# Altium PCB PCB1.PcbDoc (part 4 of 4)
Units mm, origin at the board's own origin, x right, y up, seen from the top; angles counter-clockwise.
Board outline 100 x 84 mm, 2 copper layers (Top Layer, Bottom Layer); 156 components, 105 nets, 544 pads, 320 vias.
Unrouted connection lines stored in the file: 2.
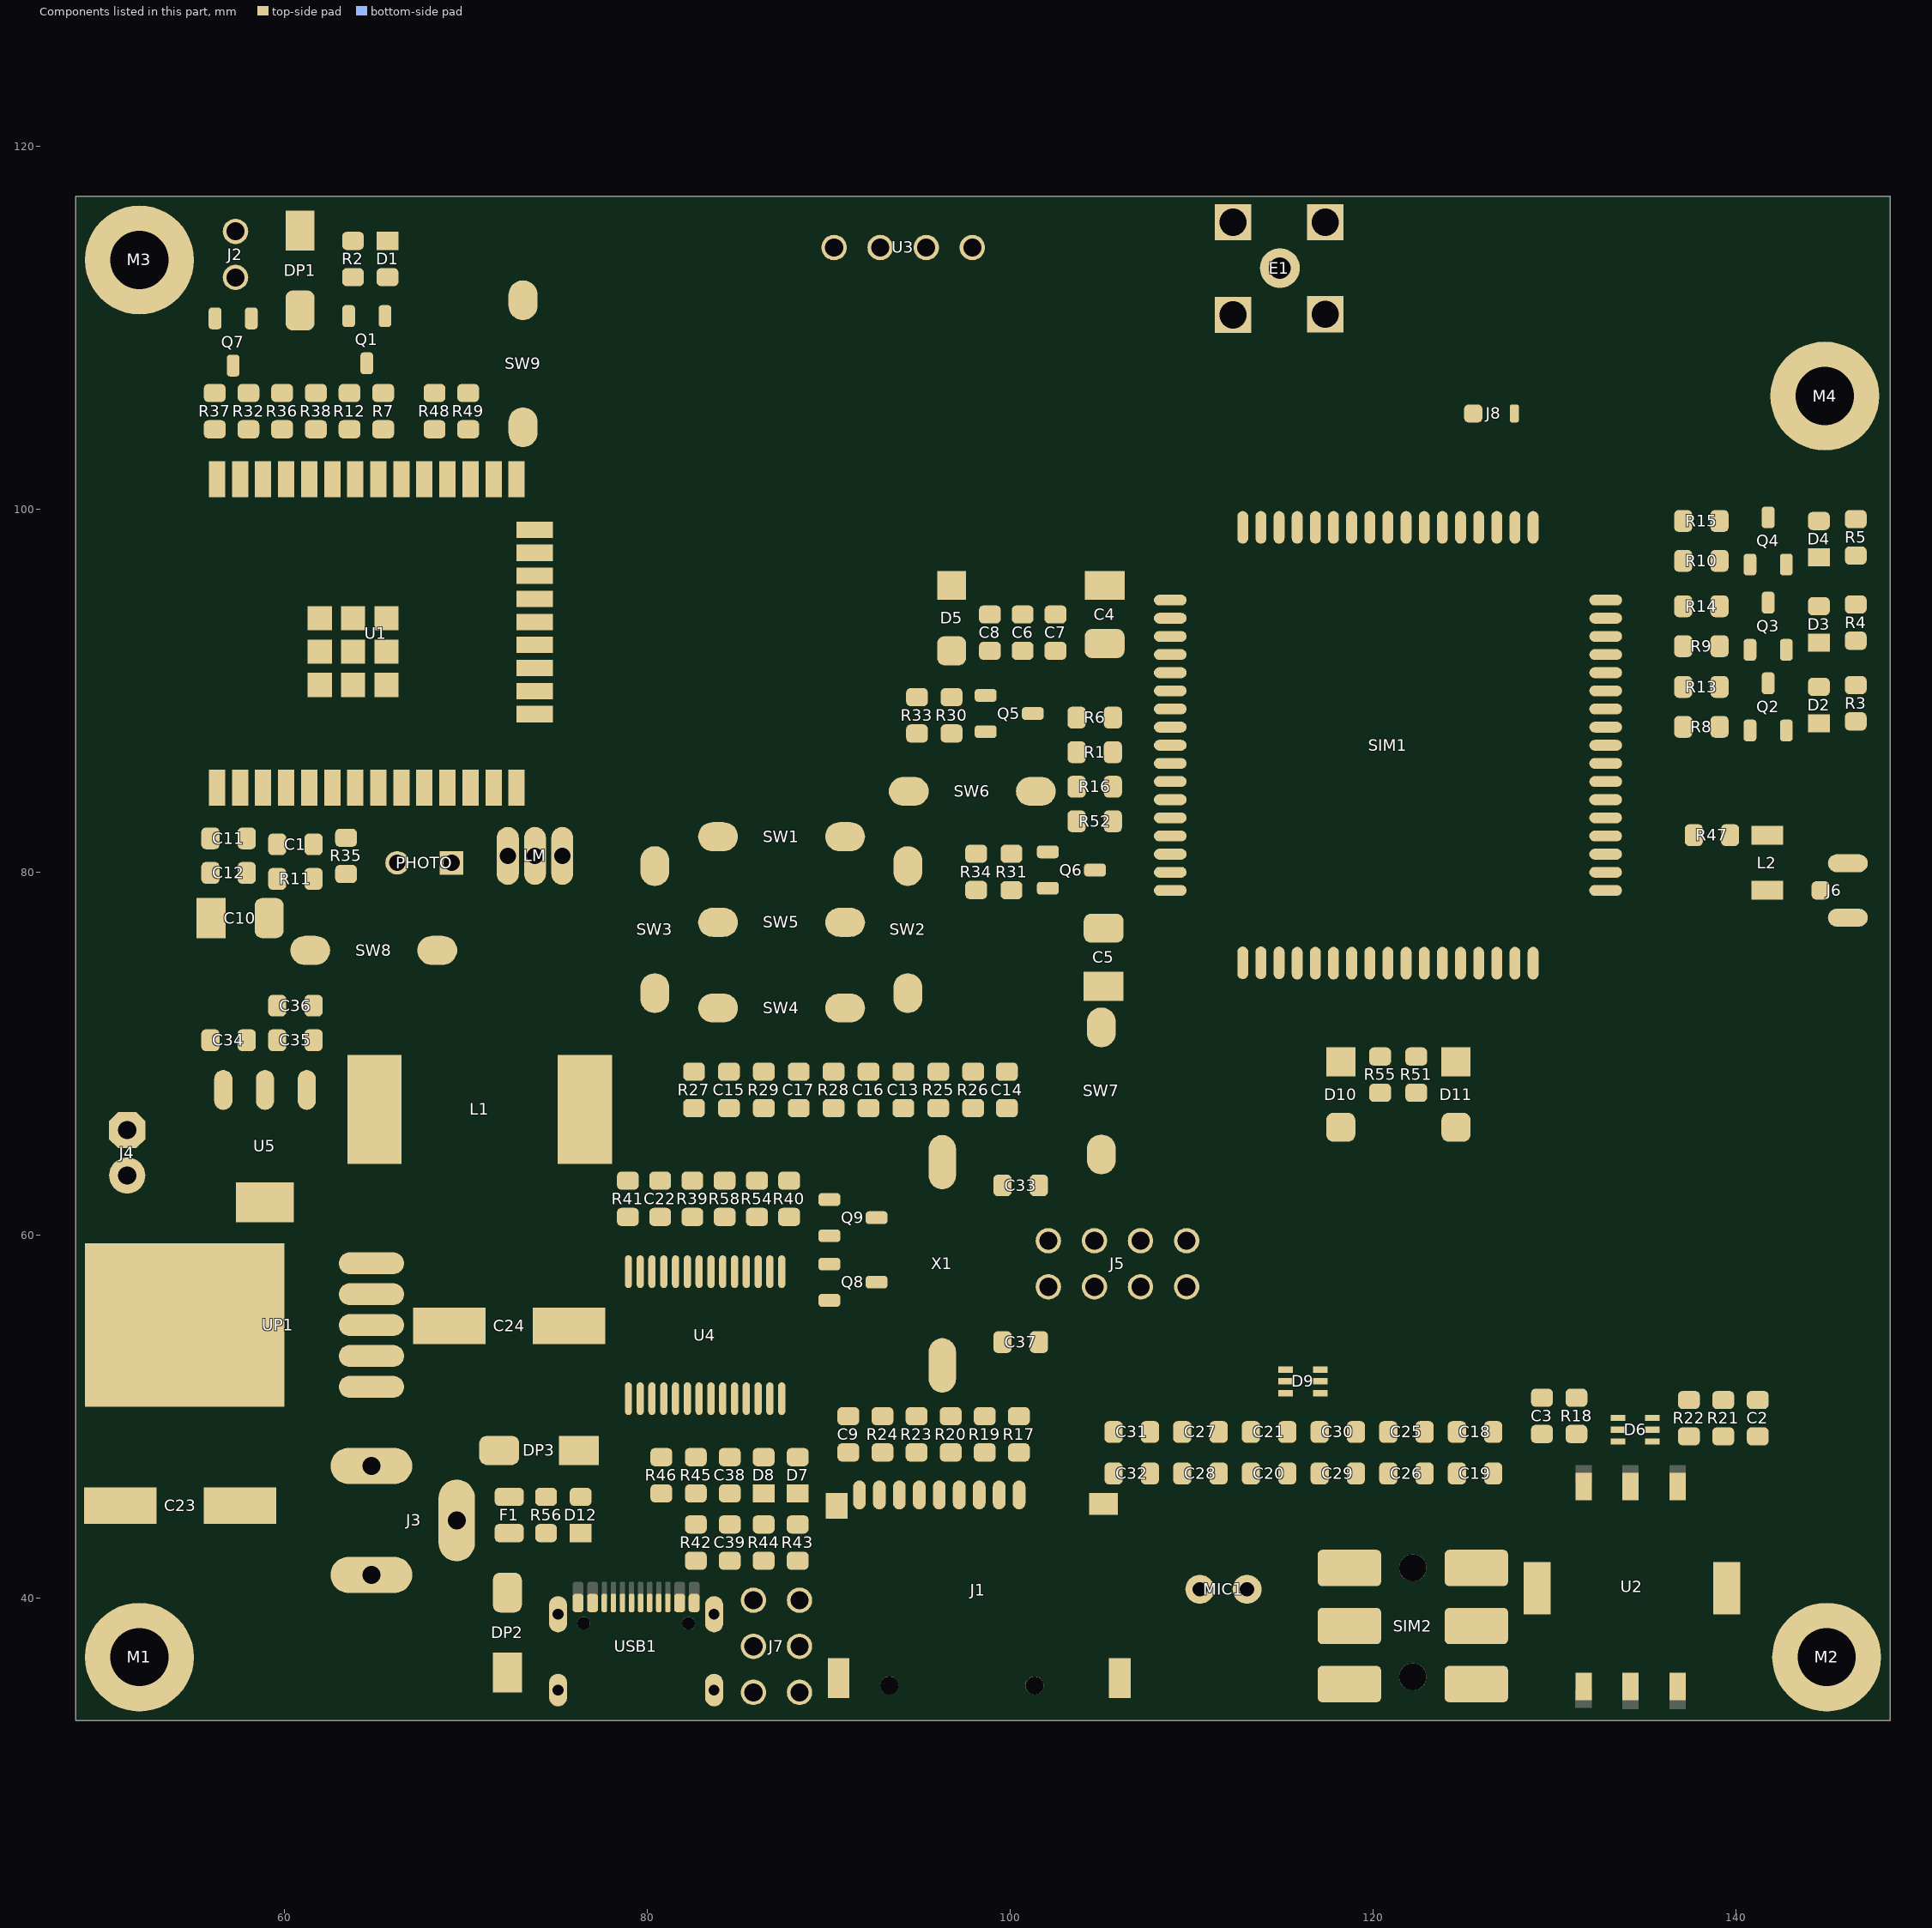
[diagram p4: the components of this part, seen from the top]

## Via types
v1: diameter 0.7, hole 0.5, Top Layer to Bottom Layer, tented both sides, 196 vias
v2: diameter 0.9, hole 0.7, Top Layer to Bottom Layer, tented both sides, 63 vias
v3: diameter 0.8, hole 0.5, Top Layer to Bottom Layer, 32 vias
v4: diameter 0.508, hole 0.381, Top Layer to Bottom Layer, tented both sides, 29 vias

## Nets (pads, with @x,y where several pads share a name; then routed paths per layer and width w, separated by ;. In a path a pad name is that pad's centre, name@x,y a point inside that pad or via, vN(x,y) a via of type N, cw(c..) or ccw(c..) an arc to the next point about the centre after c; other vN are vias at no path point) (continued)
copper on no net: (continued)
  Bottom Layer w0.025: 138.455,65.227 139.725,65.227 ; 138.455,65.253 139.725,65.253 ; 138.455,65.278 139.751,65.278 ; 138.455,65.303 139.751,65.303 ; 138.455,65.329 139.751,65.329 ; 138.455,65.354 139.751,65.354 ; 138.455,65.38 139.751,65.38 ; 138.455,65.405 139.751,65.405 ; 138.455,65.43 139.751,65.43 ; 138.455,65.456 139.751,65.456 ; 138.455,65.481 139.751,65.481 ; 138.455,65.507 139.751,65.507 ; 138.455,65.532 139.751,65.532 ; 138.481,65.557 139.725,65.557 ; 138.481,65.583 139.725,65.583 ; 138.481,65.608 139.725,65.608 ; 138.481,65.634 139.725,65.634 ; 138.481,65.659 139.7,65.659 ; 138.481,65.684 139.344,65.684 ; 138.506,65.71 139.344,65.71 ; 138.506,65.735 139.344,65.735 ; 138.506,65.761 139.37,65.761 ; 138.506,65.786 139.395,65.786 ; 138.532,65.811 139.421,65.811 ; 138.532,65.837 139.497,65.837 ; 138.532,65.862 140.614,65.862 ; 138.557,65.888 140.614,65.888 ; 138.557,65.913 140.589,65.913 ; 138.582,65.938 140.589,65.938 ; 138.582,65.964 140.564,65.964 ; 138.608,59.893 138.709,59.893 ; 138.608,59.919 138.709,59.919 ; 138.608,59.944 138.709,59.944 ; 138.608,59.969 138.709,59.969 ; 138.608,59.995 138.709,59.995 ; 138.608,60.02 138.709,60.02 ; 138.608,60.046 138.709,60.046 ; 138.608,60.071 138.709,60.071 ; 138.608,60.096 138.709,60.096 ; 138.608,60.122 138.709,60.122 ; 138.608,60.147 138.709,60.147 ; 138.608,60.173 138.709,60.173 ; 138.608,60.198 138.709,60.198 ; 138.608,60.3 138.709,60.3 ; 138.608,60.325 138.709,60.325 ; 138.608,65.989 140.564,65.989 ; 138.608,66.015 140.538,66.015 ; 138.633,60.274 138.684,60.274 ; 138.633,60.35 138.684,60.35 ; 138.633,66.04 140.538,66.04 ; 138.659,66.065 140.513,66.065 ; 138.659,66.091 140.487,66.091 ; 138.684,66.116 140.487,66.116 ; 138.709,66.142 140.462,66.142 ; 138.709,66.167 140.437,66.167 ; 138.735,61.316 139.776,61.316 ; 138.735,61.341 139.776,61.341 ; 138.735,61.366 139.776,61.366 ; 138.735,61.392 139.776,61.392 ; 138.735,61.417 139.776,61.417 ; 138.735,61.443 139.776,61.443 ; 138.735,61.468 139.497,61.468 ; 138.735,61.493 139.471,61.493 ; 138.735,61.519 139.471,61.519 ; 138.735,61.544 139.471,61.544 ; 138.735,61.57 139.471,61.57 ; 138.735,61.595 139.471,61.595 ; 138.735,61.62 139.497,61.62 ; 138.735,61.646 139.522,61.646 ; 138.735,61.671 139.776,61.671 ; 138.735,66.192 140.411,66.192 ; 138.76,61.214 139.776,61.214 ; 138.76,61.239 139.776,61.239 ; 138.76,61.265 139.776,61.265 ; 138.76,61.29 139.776,61.29 ; 138.76,61.697 139.776,61.697 ; 138.76,61.722 139.776,61.722 ; 138.76,61.747 139.776,61.747 ; 138.76,61.773 139.776,61.773 ; 138.76,61.798 139.776,61.798 ; 138.76,66.218 140.386,66.218 ; 138.786,59.893 138.887,59.893 ; 138.786,59.919 138.887,59.919 ; 138.786,59.944 139.065,59.944 ; 138.786,59.969 138.913,59.969 ; 138.786,59.995 138.887,59.995 ; 138.786,60.02 138.887,60.02 ; 138.786,60.046 139.04,60.046 ; 138.786,60.071 139.014,60.071 ; 138.786,60.096 138.887,60.096 ; 138.786,60.122 138.887,60.122 ; 138.786,61.138 139.776,61.138 ; 138.786,61.163 139.776,61.163 ; 138.786,61.189 139.776,61.189 ; 138.786,61.824 139.776,61.824 ; 138.786,61.849 139.776,61.849 ; 138.786,66.243 140.36,66.243 ; 138.811,60.147 139.04,60.147 ; 138.811,60.173 139.04,60.173 ; 138.811,61.087 139.776,61.087 ; 138.811,61.112 139.776,61.112 ; 138.811,61.874 139.776,61.874 ; 138.811,61.9 139.776,61.9 ; 138.811,66.269 140.335,66.269 ; 138.836,61.036 139.776,61.036 ; 138.836,61.062 139.776,61.062 ; 138.836,61.925 139.776,61.925 ; 138.836,61.951 139.776,61.951 ; 138.836,64.44 140.335,64.44 ; 138.836,64.465 140.36,64.465 ; 138.836,66.294 140.31,66.294 ; 138.862,60.198 139.014,60.198 ; 138.862,61.011 139.776,61.011 ; 138.862,61.976 139.776,61.976 ; 138.862,62.001 139.776,62.001 ; 138.862,62.611 139.598,62.611 ; 138.862,62.636 139.624,62.636 ; 138.862,62.662 139.649,62.662 ; 138.862,62.687 140.64,62.687 ; 138.862,62.713 140.64,62.713 ; 138.862,62.738 140.64,62.738 ; 138.862,62.763 140.64,62.763 ; 138.862,62.789 140.64,62.789 ; 138.862,62.814 140.64,62.814 ; 138.862,62.84 140.64,62.84 ; 138.862,62.865 142.799,62.865 ; 138.862,62.89 142.367,62.89 ; 138.862,62.916 142.342,62.916 ; 138.862,62.941 142.342,62.941 ; 138.862,64.414 140.31,64.414 ; 138.862,64.491 140.386,64.491 ; 138.862,66.319 140.284,66.319 ; 138.887,60.96 139.776,60.96 ; 138.887,60.985 139.776,60.985 ; 138.887,62.027 139.776,62.027 ; 138.887,62.509 139.624,62.509 ; 138.887,62.535 139.598,62.535 ; 138.887,62.56 139.598,62.56 ; 138.887,62.586 139.598,62.586 ; 138.887,62.967 142.342,62.967 ; 138.887,62.992 142.342,62.992 ; 138.887,63.017 142.342,63.017 ; 138.887,63.043 142.367,63.043 ; 138.887,64.389 140.284,64.389 ; 138.887,64.516 140.411,64.516 ; 138.887,64.541 140.437,64.541 ; 138.887,66.345 140.259,66.345 ; 138.913,59.919 139.04,59.919 ; 138.913,60.935 139.776,60.935 ; 138.913,62.052 139.776,62.052 ; 138.913,62.459 139.776,62.459 ; 138.913,62.484 139.649,62.484 ; 138.913,63.068 142.799,63.068 ; 138.913,63.094 140.64,63.094 ; 138.913,63.119 140.64,63.119 ; 138.913,64.364 140.259,64.364 ; 138.913,64.567 140.462,64.567 ; 138.938,59.893 139.014,59.893 ; 138.938,60.909 139.776,60.909 ; 138.938,62.078 139.776,62.078 ; 138.938,62.408 139.776,62.408 ; 138.938,62.433 139.776,62.433 ; 138.938,63.144 140.64,63.144 ; 138.938,63.17 140.64,63.17 ; 138.938,64.338 140.208,64.338 ; 138.938,64.592 140.487,64.592 ; 138.938,66.37 140.233,66.37 ; 138.963,59.969 139.065,59.969 ; 138.963,59.995 139.065,59.995 ; 138.963,60.02 139.065,60.02 ; 138.963,60.884 139.776,60.884 ; 138.963,62.103 139.776,62.103 ; 138.963,62.357 139.776,62.357 ; 138.963,62.382 139.776,62.382 ; 138.963,63.195 140.64,63.195 ; 138.963,64.618 140.487,64.618 ; 138.963,66.396 140.183,66.396 ; 138.989,60.858 139.776,60.858 ; 138.989,62.128 139.776,62.128 ; 138.989,62.332 139.776,62.332 ; 138.989,63.221 140.64,63.221 ; 138.989,63.246 140.64,63.246 ; 138.989,64.313 140.183,64.313 ; 138.989,64.643 140.513,64.643 ; 138.989,64.668 140.538,64.668 ; 139.014,60.122 139.04,60.122 ; 139.014,60.833 139.776,60.833 ; 139.014,62.281 139.776,62.281 ; 139.014,62.306 139.776,62.306 ; 139.014,63.271 140.64,63.271 ; 139.014,64.694 140.538,64.694 ; 139.014,66.421 140.157,66.421 ; 139.04,60.808 139.776,60.808 ; 139.04,62.154 139.776,62.154 ; 139.04,62.255 139.776,62.255 ; 139.04,63.297 140.64,63.297 ; 139.04,64.287 140.132,64.287 ; 139.04,64.719 140.564,64.719 ; 139.04,66.446 140.106,66.446 ; 139.065,62.179 139.776,62.179 ; 139.065,62.23 139.776,62.23 ; 139.065,63.322 140.64,63.322 ; 139.065,64.262 140.106,64.262 ; 139.065,64.745 140.564,64.745 ; 139.065,64.77 140.589,64.77 ; 139.09,60.782 139.776,60.782 ; 139.09,62.205 139.776,62.205 ; 139.09,64.795 140.589,64.795 ; 139.09,66.472 140.056,66.472 ; 139.116,63.348 140.64,63.348 ; 139.116,64.237 140.056,64.237 ; 139.116,64.821 140.614,64.821 ; 139.141,60.147 139.319,60.147 ; 139.141,60.173 139.319,60.173 ; 139.141,60.198 139.192,60.198 ; 139.141,60.757 139.776,60.757 ; 139.141,63.373 140.64,63.373 ; 139.141,64.846 140.614,64.846 ; 139.141,64.872 140.64,64.872 ; 139.141,66.497 140.005,66.497 ; 139.167,64.897 140.64,64.897 ; 139.192,60.122 139.319,60.122 ; 139.192,60.731 139.776,60.731 ; 139.192,63.398 140.64,63.398 ; 139.192,64.211 139.979,64.211 ; 139.192,64.922 140.64,64.922 ; 139.217,59.893 139.319,59.893 ; 139.217,59.919 139.319,59.919 ; 139.217,59.944 139.319,59.944 ; 139.217,59.969 139.319,59.969 ; 139.217,59.995 139.319,59.995 ; 139.217,60.02 139.319,60.02 ; 139.217,60.046 139.319,60.046 ; 139.217,60.071 139.319,60.071 ; 139.217,60.096 139.319,60.096 ; 139.217,60.198 139.319,60.198 ; 139.217,64.948 139.471,64.948 ; 139.217,66.523 139.929,66.523 ; 139.243,60.706 139.776,60.706 ; 139.243,63.424 140.64,63.424 ; 139.243,64.973 139.446,64.973 ; 139.243,64.999 139.395,64.999 ; 139.268,64.186 139.903,64.186 ; 139.268,65.024 139.37,65.024 ; 139.294,65.049 139.344,65.049 ; 139.319,63.449 140.64,63.449 ; 139.319,66.548 139.827,66.548 ; 139.344,64.16 139.802,64.16 ; 139.37,60.681 139.776,60.681 ; 139.395,59.893 139.522,59.893 ; 139.395,59.919 139.548,59.919 ; 139.395,59.944 139.573,59.944 ; 139.395,60.147 139.624,60.147 ; 139.395,60.173 139.624,60.173 ; 139.395,60.198 139.624,60.198 ; 139.421,63.475 140.64,63.475 ; 139.446,59.969 139.573,59.969 ; 139.446,60.223 139.573,60.223 ; 139.471,59.995 139.573,59.995 ; 139.471,60.02 139.573,60.02 ; 139.471,60.046 139.573,60.046 ; 139.471,60.071 139.573,60.071 ; 139.471,60.096 139.573,60.096 ; 139.471,60.122 139.573,60.122 ; 139.471,60.249 139.573,60.249 ; 139.471,60.274 139.573,60.274 ; 139.471,60.3 139.522,60.3 ; 139.522,66.573 139.624,66.573 ; 139.598,65.837 140.64,65.837 ; 139.624,63.5 140.64,63.5 ; 139.649,64.948 140.665,64.948 ; 139.675,65.811 140.64,65.811 ; 139.7,64.973 140.665,64.973 ; 139.7,65.786 140.64,65.786 ; 139.725,64.999 140.665,64.999 ; 139.725,65.761 140.665,65.761 ; 139.751,65.024 140.691,65.024 ; 139.751,65.735 140.665,65.735 ; 139.776,65.049 140.691,65.049 ; 139.776,65.075 140.691,65.075 ; 139.776,65.684 140.691,65.684 ; 139.776,65.71 140.665,65.71 ; 139.802,65.1 140.691,65.1 ; 139.802,65.126 140.691,65.126 ; 139.802,65.634 140.691,65.634 ; 139.802,65.659 140.691,65.659 ; 139.827,60.681 140.64,60.681 ; 139.827,60.706 140.64,60.706 ; 139.827,60.731 140.64,60.731 ; 139.827,60.757 140.64,60.757 ; 139.827,60.782 140.64,60.782 ; 139.827,60.808 140.64,60.808 ; 139.827,60.833 140.64,60.833 ; 139.827,60.858 140.64,60.858 ; 139.827,60.884 140.64,60.884 ; 139.827,60.909 140.64,60.909 ; 139.827,60.935 140.64,60.935 ; 139.827,60.96 140.64,60.96 ; 139.827,60.985 140.64,60.985 ; 139.827,61.011 140.64,61.011 ; 139.827,61.036 140.64,61.036 ; 139.827,61.062 140.64,61.062 ; 139.827,61.087 140.64,61.087 ; 139.827,61.112 142.799,61.112 ; 139.827,61.138 142.367,61.138 ; 139.827,61.163 142.342,61.163 ; 139.827,61.189 142.342,61.189 ; 139.827,61.214 142.342,61.214 ; 139.827,61.239 142.342,61.239 ; 139.827,61.265 142.342,61.265 ; 139.827,61.29 142.367,61.29 ; 139.827,61.316 142.799,61.316 ; 139.827,61.341 140.64,61.341 ; 139.827,61.366 140.64,61.366 ; 139.827,61.392 140.64,61.392 ; 139.827,61.417 140.64,61.417 ; 139.827,61.443 140.64,61.443 ; 139.827,61.468 140.64,61.468 ; 139.827,61.493 140.64,61.493 ; 139.827,61.519 140.64,61.519 ; 139.827,61.544 140.64,61.544 ; 139.827,61.57 140.64,61.57 ; 139.827,61.595 140.64,61.595 ; 139.827,61.62 140.64,61.62 ; 139.827,61.646 140.64,61.646 ; 139.827,61.671 140.64,61.671 ; 139.827,61.697 140.64,61.697 ; 139.827,61.722 140.64,61.722 ; 139.827,61.747 140.64,61.747 ; 139.827,61.773 140.64,61.773 ; 139.827,61.798 140.64,61.798 ; 139.827,61.824 140.64,61.824 ; 139.827,61.849 140.64,61.849 ; 139.827,61.874 140.64,61.874 ; 139.827,61.9 140.64,61.9 ; 139.827,61.925 140.64,61.925 ; 139.827,61.951 140.64,61.951 ; 139.827,61.976 140.64,61.976 ; 139.827,62.001 142.799,62.001 ; 139.827,62.027 142.367,62.027 ; 139.827,62.052 142.342,62.052 ; 139.827,62.078 142.342,62.078 ; 139.827,62.103 142.342,62.103 ; 139.827,62.128 142.342,62.128 ; 139.827,62.154 142.342,62.154 ; 139.827,62.179 142.367,62.179 ; 139.827,62.205 142.799,62.205 ; 139.827,62.23 140.64,62.23 ; 139.827,62.255 140.64,62.255 ; 139.827,62.281 140.64,62.281 ; 139.827,62.306 140.64,62.306 ; 139.827,62.332 140.64,62.332 ; 139.827,62.357 140.64,62.357 ; 139.827,62.382 140.64,62.382 ; 139.827,62.408 140.64,62.408 ; 139.827,62.433 140.64,62.433 ; 139.827,62.459 140.64,62.459 ; 139.827,62.484 140.64,62.484 ; 139.827,62.509 140.64,62.509 ; 139.827,62.535 140.64,62.535 ; 139.827,62.56 140.64,62.56 ; 139.827,62.586 140.64,62.586 ; 139.827,62.611 140.64,62.611 ; 139.827,62.636 140.64,62.636 ; 139.827,62.662 140.64,62.662 ; 139.827,65.151 140.691,65.151 ; 139.827,65.176 141.58,65.176 ; 139.827,65.202 141.58,65.202 ; 139.827,65.557 140.691,65.557 ; 139.827,65.583 140.691,65.583 ; 139.827,65.608 140.691,65.608 ; 139.852,65.227 141.58,65.227 ; 139.852,65.253 141.58,65.253 ; 139.852,65.278 141.58,65.278 ; 139.852,65.303 141.58,65.303 ; 139.852,65.329 141.58,65.329 ; 139.852,65.354 141.58,65.354 ; 139.852,65.38 141.58,65.38 ; 139.852,65.405 141.58,65.405 ; 139.852,65.43 141.58,65.43 ; 139.852,65.456 141.58,65.456 ; 139.852,65.481 141.58,65.481 ; 139.852,65.507 141.58,65.507 ; 139.852,65.532 141.58,65.532 ; 139.878,59.893 139.979,59.893 ; 139.878,59.919 140.157,59.919 ; 139.878,59.944 140.157,59.944 ; 139.878,59.969 140.005,59.969 ; 139.878,59.995 139.979,59.995 ; 139.878,60.02 139.979,60.02 ; 139.878,60.046 139.979,60.046 ; 139.878,60.071 139.979,60.071 ; 139.878,60.096 139.979,60.096 ; 139.878,60.122 140.005,60.122 ; 139.878,60.147 140.157,60.147 ; 139.878,60.173 140.132,60.173 ; 139.878,60.198 139.979,60.198 ; 139.878,60.223 139.979,60.223 ; 139.878,60.249 139.979,60.249 ; 139.878,60.274 139.979,60.274 ; 139.878,60.3 139.979,60.3 ; 139.878,60.325 139.979,60.325 ; 139.878,60.35 139.979,60.35 ; 140.005,59.893 140.132,59.893 ; 140.005,60.198 140.106,60.198 ; 140.005,60.223 140.03,60.223 ; 140.056,59.969 140.183,59.969 ; 140.056,60.122 140.157,60.122 ; 140.081,59.995 140.183,59.995 ; 140.081,60.02 140.183,60.02 ; 140.081,60.046 140.183,60.046 ; 140.081,60.071 140.183,60.071 ; 140.081,60.096 140.183,60.096 ; 140.259,59.893 140.36,59.893 ; 140.259,59.919 140.36,59.919 ; 140.259,59.944 140.36,59.944 ; 140.259,59.969 140.36,59.969 ; 140.259,59.995 140.36,59.995 ; 140.259,60.02 140.36,60.02 ; 140.259,60.046 140.36,60.046 ; 140.259,60.071 140.36,60.071 ; 140.259,60.096 140.36,60.096 ; 140.259,60.122 140.36,60.122 ; 140.259,60.147 140.538,60.147 ; 140.284,60.173 140.538,60.173 ; 140.31,60.198 140.386,60.198 ; 140.411,60.122 140.538,60.122 ; 140.437,59.893 140.538,59.893 ; 140.437,59.919 140.538,59.919 ; 140.437,59.944 140.538,59.944 ; 140.437,59.969 140.538,59.969 ; 140.437,59.995 140.538,59.995 ; 140.437,60.02 140.538,60.02 ; 140.437,60.046 140.538,60.046 ; 140.437,60.071 140.538,60.071 ; 140.437,60.096 140.538,60.096 ; 140.437,60.198 140.538,60.198 ; 140.487,60.223 140.513,60.223 ; 140.614,59.893 140.716,59.893 ; 140.614,59.919 140.716,59.919 ; 140.614,59.944 140.894,59.944 ; 140.614,59.969 140.741,59.969 ; 140.614,59.995 140.716,59.995 ; 140.614,60.02 140.716,60.02 ; 140.614,60.046 140.868,60.046 ; 140.614,60.071 140.843,60.071 ; 140.614,60.096 140.716,60.096 ; 140.614,60.122 140.716,60.122 ; 140.64,60.147 140.868,60.147 ; 140.64,60.173 140.868,60.173 ; 140.691,60.198 140.843,60.198 ; 140.716,64.211 141.58,64.211 ; 140.716,64.237 141.58,64.237 ; 140.716,64.262 141.58,64.262 ; 140.716,64.287 141.58,64.287 ; 140.716,64.313 141.58,64.313 ; 140.716,64.338 141.58,64.338 ; 140.716,64.364 141.58,64.364 ; 140.716,64.389 141.58,64.389 ; 140.716,64.414 141.58,64.414 ; 140.716,64.44 141.58,64.44 ; 140.716,64.465 141.58,64.465 ; 140.716,64.491 141.58,64.491 ; 140.716,64.516 141.58,64.516 ; 140.716,64.541 141.58,64.541 ; 140.716,64.567 141.58,64.567 ; 140.716,64.592 141.58,64.592 ; 140.716,64.618 141.58,64.618 ; 140.716,64.643 141.58,64.643 ; 140.716,64.668 141.58,64.668 ; 140.716,64.694 141.58,64.694 ; 140.716,64.719 141.58,64.719 ; 140.716,64.745 141.58,64.745 ; 140.716,64.77 141.58,64.77 ; 140.716,64.795 141.58,64.795 ; 140.716,64.821 141.58,64.821 ; 140.716,64.846 141.58,64.846 ; 140.716,64.872 141.58,64.872 ; 140.716,64.897 141.58,64.897 ; 140.716,64.922 141.58,64.922 ; 140.716,64.948 141.58,64.948 ; 140.716,64.973 141.58,64.973 ; 140.716,64.999 141.58,64.999 ; 140.716,65.024 141.58,65.024 ; 140.716,65.049 141.58,65.049 ; 140.716,65.075 141.58,65.075 ; 140.716,65.1 141.58,65.1 ; 140.716,65.126 141.58,65.126 ; 140.716,65.151 141.58,65.151 ; 140.716,65.557 141.58,65.557 ; 140.716,65.583 141.58,65.583 ; 140.716,65.608 141.58,65.608 ; 140.716,65.634 141.58,65.634 ; 140.716,65.659 141.58,65.659 ; 140.716,65.684 141.58,65.684 ; 140.716,65.71 141.58,65.71 ; 140.716,65.735 141.58,65.735 ; 140.716,65.761 141.58,65.761 ; 140.716,65.786 141.58,65.786 ; 140.716,65.811 141.58,65.811 ; 140.716,65.837 141.58,65.837 ; 140.716,65.862 141.58,65.862 ; 140.716,65.888 141.58,65.888 ; 140.716,65.913 141.58,65.913 ; 140.716,65.938 141.58,65.938 ; 140.716,65.964 141.58,65.964 ; 140.716,65.989 141.58,65.989 ; 140.716,66.015 141.58,66.015 ; 140.716,66.04 141.58,66.04 ; 140.716,66.065 141.58,66.065 ; 140.716,66.091 141.58,66.091 ; 140.716,66.116 141.58,66.116 ; 140.716,66.142 141.58,66.142 ; 140.716,66.167 141.58,66.167 ; 140.716,66.192 141.58,66.192 ; 140.716,66.218 141.58,66.218 ; 140.716,66.243 141.58,66.243 ; 140.716,66.269 141.58,66.269 ; 140.716,66.294 141.58,66.294 ; 140.716,66.319 141.58,66.319 ; 140.716,66.345 141.58,66.345 ; 140.716,66.37 141.58,66.37 ; 140.716,66.396 141.58,66.396 ; 140.716,66.421 141.58,66.421 ; 140.716,66.446 141.58,66.446 ; 140.716,66.472 141.58,66.472 ; 140.716,66.497 141.58,66.497 ; 140.716,66.523 141.58,66.523 ; 140.716,66.548 141.58,66.548 ; 140.716,66.573 141.58,66.573 ; 140.716,66.599 141.58,66.599 ; 140.716,66.624 141.58,66.624 ; 140.716,66.65 141.58,66.65 ; 140.716,66.675 141.58,66.675 ; 140.716,66.7 141.58,66.7 ; 140.716,66.726 141.58,66.726 ; 140.716,66.751 141.58,66.751 ; 140.716,66.777 141.58,66.777 ; 140.716,66.802 141.58,66.802 ; 140.716,66.827 141.58,66.827 ; 140.716,66.853 141.58,66.853 ; 140.716,66.878 141.58,66.878 ; 140.716,66.904 141.58,66.904 ; 140.716,66.929 141.58,66.929 ; 140.716,66.954 141.58,66.954 ; 140.716,66.98 141.58,66.98 ; 140.716,67.005 141.58,67.005 ; 140.716,67.031 141.58,67.031 ; 140.716,67.056 141.58,67.056 ; 140.716,67.081 141.58,67.081 ; 140.716,67.107 141.58,67.107 ; 140.716,67.132 141.58,67.132 ; 140.716,67.158 141.58,67.158 ; 140.716,67.183 141.58,67.183 ; 140.716,67.208 141.58,67.208 ; 140.716,67.234 141.58,67.234 ; 140.716,67.259 141.58,67.259 ; 140.716,67.285 141.58,67.285 ; 140.716,67.31 141.58,67.31 ; 140.716,67.335 141.58,67.335 ; 140.741,59.919 140.868,59.919 ; 140.741,67.361 141.554,67.361 ; 140.767,59.893 140.843,59.893 ; 140.792,59.969 140.894,59.969 ; 140.792,59.995 140.894,59.995 ; 140.792,60.02 140.894,60.02 ; 140.843,60.122 140.868,60.122 ; 141.173,59.893 141.275,59.893 ; 141.173,59.919 141.275,59.919 ; 141.173,59.944 141.275,59.944 ; 141.173,59.969 141.275,59.969 ; 141.173,59.995 141.275,59.995 ; 141.173,60.02 141.275,60.02 ; 141.173,60.046 141.275,60.046 ; 141.173,60.071 141.275,60.071 ; 141.173,60.096 141.275,60.096 ; 141.173,60.122 141.275,60.122 ; 141.173,60.147 141.453,60.147 ; 141.199,60.173 141.453,60.173 ; 141.224,60.198 141.3,60.198 ; 141.326,60.122 141.453,60.122 ; 141.351,59.893 141.453,59.893 ; 141.351,59.919 141.453,59.919 ; 141.351,59.944 141.453,59.944 ; 141.351,59.969 141.453,59.969 ; 141.351,59.995 141.453,59.995 ; 141.351,60.02 141.453,60.02 ; 141.351,60.046 141.453,60.046 ; 141.351,60.071 141.453,60.071 ; 141.351,60.096 141.453,60.096 ; 141.351,60.198 141.453,60.198 ; 141.554,59.842 141.681,59.842 ; 141.554,59.868 141.656,59.868 ; 141.554,59.893 141.681,59.893 ; 141.554,59.919 141.834,59.919 ; 141.554,59.944 141.834,59.944 ; 141.554,59.969 141.681,59.969 ; 141.554,59.995 141.656,59.995 ; 141.554,60.02 141.656,60.02 ; 141.554,60.046 141.656,60.046 ; 141.554,60.071 141.656,60.071 ; 141.554,60.096 141.656,60.096 ; 141.554,60.122 141.681,60.122 ; 141.554,60.147 141.834,60.147 ; 141.554,60.173 141.808,60.173 ; 141.554,60.198 141.656,60.198 ; 141.58,59.792 141.834,59.792 ; 141.58,59.817 141.707,59.817 ; 141.605,59.766 141.834,59.766 ; 141.656,59.741 141.834,59.741 ; 141.681,60.198 141.783,60.198 ; 141.681,64.211 142.646,64.211 ; 141.681,64.237 142.773,64.237 ; 141.681,64.262 142.85,64.262 ; 141.681,64.287 142.9,64.287 ; 141.681,64.313 142.951,64.313 ; 141.681,64.338 143.002,64.338 ; 141.681,64.364 143.053,64.364 ; 141.681,64.389 143.078,64.389 ; 141.681,64.414 143.104,64.414 ; 141.681,64.44 143.129,64.44 ; 141.681,64.465 143.154,64.465 ; 141.681,64.491 143.18,64.491 ; 141.681,64.516 143.205,64.516 ; 141.681,64.541 143.231,64.541 ; 141.681,64.567 143.231,64.567 ; 141.681,64.592 143.256,64.592 ; 141.681,64.618 143.256,64.618 ; 141.681,64.643 143.281,64.643 ; 141.681,64.668 143.281,64.668 ; 141.681,64.694 143.307,64.694 ; 141.681,64.719 143.307,64.719 ; 141.681,64.745 143.332,64.745 ; 141.681,64.77 143.332,64.77 ; 141.681,64.795 143.332,64.795 ; 141.681,64.821 143.358,64.821 ; 141.681,64.846 143.358,64.846 ; 141.681,64.872 143.358,64.872 ; 141.681,64.897 143.358,64.897 ; 141.681,64.922 143.383,64.922 ; 141.681,64.948 143.383,64.948 ; 141.681,64.973 143.383,64.973 ; 141.681,64.999 143.383,64.999 ; 141.681,65.024 143.383,65.024 ; 141.681,65.049 143.383,65.049 ; 141.681,65.075 143.383,65.075 ; 141.681,65.1 143.383,65.1 ; 141.681,65.126 143.383,65.126 ; 141.681,65.151 143.383,65.151 ; 141.681,66.421 143.383,66.421 ; 141.681,66.446 143.383,66.446 ; 141.681,66.472 143.383,66.472 ; 141.681,66.497 143.383,66.497 ; 141.681,66.523 143.383,66.523 ; 141.681,66.548 143.383,66.548 ; 141.681,66.573 143.383,66.573 ; 141.681,66.599 143.383,66.599 ; 141.681,66.624 143.383,66.624 ; 141.681,66.65 143.383,66.65 ; 141.681,66.675 143.358,66.675 ; 141.681,66.7 143.358,66.7 ; 141.681,66.726 143.358,66.726 ; 141.681,66.751 143.358,66.751 ; 141.681,66.777 143.332,66.777 ; 141.681,66.802 143.332,66.802 ; 141.681,66.827 143.332,66.827 ; 141.681,66.853 143.307,66.853 ; 141.681,66.878 143.307,66.878 ; 141.681,66.904 143.281,66.904 ; 141.681,66.929 143.281,66.929 ; 141.681,66.954 143.256,66.954 ; 141.681,66.98 143.256,66.98 ; 141.681,67.005 143.231,67.005 ; 141.681,67.031 143.205,67.031 ; 141.681,67.056 143.205,67.056 ; 141.681,67.081 143.18,67.081 ; 141.681,67.107 143.154,67.107 ; 141.681,67.132 143.129,67.132 ; 141.681,67.158 143.104,67.158 ; 141.681,67.183 143.078,67.183 ; 141.681,67.208 143.027,67.208 ; 141.681,67.234 143.002,67.234 ; 141.681,67.259 142.951,67.259 ; 141.681,67.285 142.9,67.285 ; 141.681,67.31 142.824,67.31 ; 141.681,67.335 142.748,67.335 ; 141.681,67.361 142.519,67.361 ; 141.707,59.893 141.783,59.893 ; 141.732,59.969 141.859,59.969 ; 141.732,60.122 141.834,60.122 ; 141.757,59.995 141.859,59.995 ; 141.757,60.02 141.859,60.02 ; 141.757,60.046 141.859,60.046 ; 141.757,60.071 141.859,60.071 ; 141.757,60.096 141.859,60.096 ; 141.757,65.43 143.739,65.43 ; 141.757,65.456 143.713,65.456 ; 141.757,65.481 143.662,65.481 ; 141.757,65.507 143.637,65.507 ; 141.757,65.532 143.586,65.532 ; 141.757,65.557 143.535,65.557 ; 141.757,65.583 143.485,65.583 ; 141.757,65.608 143.383,65.608 ; 141.757,65.634 143.383,65.634 ; 141.757,65.659 143.383,65.659 ; 141.757,65.684 143.383,65.684 ; 141.757,65.71 143.383,65.71 ; 141.757,65.735 143.383,65.735 ; 141.757,65.761 143.383,65.761 ; 141.757,65.786 143.383,65.786 ; 141.757,65.811 143.383,65.811 ; 141.757,65.837 143.383,65.837 ; 141.757,65.862 143.383,65.862 ; 141.757,65.888 143.383,65.888 ; 141.757,65.913 143.383,65.913 ; 141.757,65.938 143.383,65.938 ; 141.757,65.964 143.383,65.964 ; 141.757,65.989 143.383,65.989 ; 141.757,66.015 143.383,66.015 ; 141.757,66.04 143.383,66.04 ; 141.757,66.065 143.383,66.065 ; 141.757,66.091 143.383,66.091 ; 141.757,66.116 143.383,66.116 ; 141.757,66.142 143.383,66.142 ; 141.757,66.167 143.383,66.167 ; 141.808,59.817 141.834,59.817 ; 141.935,59.893 142.037,59.893 ; 141.935,59.919 142.037,59.919 ; 141.935,59.944 142.037,59.944 ; 141.935,59.969 142.037,59.969 ; 141.935,59.995 142.037,59.995 ; 141.935,60.02 142.037,60.02 ; 141.935,60.046 142.037,60.046 ; 141.935,60.071 142.037,60.071 ; 141.935,60.096 142.037,60.096 ; 141.935,60.122 142.037,60.122 ; 141.935,60.147 142.037,60.147 ; 141.935,60.173 142.037,60.173 ; 141.935,60.198 142.037,60.198 ; 141.935,60.3 142.037,60.3 ; 141.935,60.325 142.037,60.325 ; 141.961,60.274 142.011,60.274 ; 141.961,60.35 142.011,60.35 ; 142.088,61.036 142.773,61.036 ; 142.088,61.062 142.773,61.062 ; 142.088,61.087 142.773,61.087 ; 142.088,61.341 142.773,61.341 ; 142.088,61.366 142.773,61.366 ; 142.088,61.392 142.773,61.392 ; 142.088,61.925 142.773,61.925 ; 142.088,61.951 142.773,61.951 ; 142.088,61.976 142.773,61.976 ; 142.088,62.23 142.773,62.23 ; 142.088,62.255 142.773,62.255 ; 142.088,62.281 142.773,62.281 ; 142.088,62.789 142.773,62.789 ; 142.088,62.814 142.773,62.814 ; 142.088,62.84 142.773,62.84 ; 142.088,63.094 142.773,63.094 ; 142.088,63.119 142.773,63.119 ; 142.088,63.144 142.773,63.144 ; 142.113,59.944 142.342,59.944 ; 142.113,59.969 142.215,59.969 ; 142.113,59.995 142.215,59.995 ; 142.113,60.02 142.291,60.02 ; 142.113,61.011 142.748,61.011 ; 142.113,61.417 142.748,61.417 ; 142.113,61.9 142.748,61.9 ; 142.113,62.306 142.748,62.306 ; 142.113,62.763 142.748,62.763 ; 142.113,63.17 142.748,63.17 ; 142.138,59.919 142.342,59.919 ; 142.138,60.046 142.316,60.046 ; 142.138,60.071 142.342,60.071 ; 142.138,60.122 142.164,60.122 ; 142.138,60.147 142.342,60.147 ; 142.138,60.173 142.316,60.173 ; 142.138,60.198 142.291,60.198 ; 142.138,60.985 142.723,60.985 ; 142.138,61.443 142.723,61.443 ; 142.138,61.874 142.723,61.874 ; 142.138,62.332 142.723,62.332 ; 142.138,62.738 142.723,62.738 ; 142.138,63.195 142.723,63.195 ; 142.138,63.221 142.697,63.221 ; 142.164,59.893 142.342,59.893 ; 142.164,60.96 142.697,60.96 ; 142.164,61.468 142.697,61.468 ; 142.164,61.849 142.697,61.849 ; 142.164,62.357 142.697,62.357 ; 142.164,62.713 142.697,62.713 ; 142.189,60.935 142.672,60.935 ; 142.189,61.493 142.672,61.493 ; 142.189,61.824 142.672,61.824 ; 142.189,62.382 142.672,62.382 ; 142.189,62.687 142.672,62.687 ; 142.189,63.246 142.672,63.246 ; 142.215,60.909 142.646,60.909 ; 142.215,61.519 142.646,61.519 ; 142.215,61.798 142.646,61.798 ; 142.215,62.408 142.646,62.408 ; 142.215,62.662 142.646,62.662 ; 142.215,63.271 142.646,63.271 ; 142.24,60.096 142.342,60.096 ; 142.24,60.122 142.342,60.122 ; 142.24,60.884 142.596,60.884 ; 142.24,61.544 142.621,61.544 ; 142.24,61.773 142.621,61.773 ; 142.24,62.433 142.621,62.433 ; 142.24,62.636 142.621,62.636 ; 142.24,63.297 142.621,63.297 ; 142.291,62.459 142.57,62.459 ; 142.291,63.322 142.545,63.322 ; 142.316,59.969 142.342,59.969 ; 142.316,60.858 142.57,60.858 ; 142.316,61.57 142.545,61.57 ; 142.316,61.747 142.545,61.747 ; 142.316,62.611 142.545,62.611 ; 142.342,66.396 143.383,66.396 ; 142.392,65.405 143.764,65.405 ; 142.418,60.046 142.697,60.046 ; 142.418,60.071 142.697,60.071 ; 142.418,60.096 142.519,60.096 ; 142.418,60.122 142.519,60.122 ; 142.418,66.192 143.383,66.192 ; 142.418,66.37 143.383,66.37 ; 142.443,59.893 142.621,59.893 ; 142.443,59.919 142.646,59.919 ; 142.443,59.944 142.672,59.944 ; 142.443,59.969 142.469,59.969 ; 142.443,60.147 142.672,60.147 ; 142.443,60.173 142.646,60.173 ; 142.443,66.218 143.383,66.218 ; 142.443,66.243 143.383,66.243 ; 142.443,66.269 143.383,66.269 ; 142.443,66.319 143.383,66.319 ; 142.443,66.345 143.383,66.345 ; 142.469,65.176 143.383,65.176 ; 142.469,65.38 143.789,65.38 ; 142.469,66.294 143.383,66.294 ; 142.494,60.198 142.621,60.198 ; 142.494,61.138 142.799,61.138 ; 142.494,61.29 142.799,61.29 ; 142.494,62.027 142.799,62.027 ; 142.494,62.179 142.799,62.179 ; 142.494,62.89 142.799,62.89 ; 142.494,63.043 142.799,63.043 ; 142.494,65.202 143.383,65.202 ; 142.494,65.227 143.383,65.227 ; 142.494,65.253 143.866,65.253 ; 142.494,65.303 143.84,65.303 ; 142.494,65.329 143.815,65.329 ; 142.494,65.354 143.815,65.354 ; 142.519,61.163 142.799,61.163 ; 142.519,61.189 142.799,61.189 ; 142.519,61.214 142.799,61.214 ; 142.519,61.239 142.799,61.239 ; 142.519,61.265 142.799,61.265 ; 142.519,62.052 142.799,62.052 ; 142.519,62.078 142.799,62.078 ; 142.519,62.103 142.799,62.103 ; 142.519,62.128 142.799,62.128 ; 142.519,62.154 142.799,62.154 ; 142.519,62.916 142.799,62.916 ; 142.519,62.941 142.799,62.941 ; 142.519,62.967 142.799,62.967 ; 142.519,62.992 142.799,62.992 ; 142.519,63.017 142.799,63.017 ; 142.519,65.278 143.866,65.278 ; 142.57,59.969 142.697,59.969 ; 142.57,60.122 142.672,60.122 ; 142.596,59.995 142.697,59.995 ; 142.596,60.02 142.697,60.02 ; 142.596,60.096 142.697,60.096 ; 142.773,60.046 142.875,60.046 ; 142.773,60.071 142.875,60.071 ; 142.773,60.096 142.875,60.096 ; 142.773,60.122 142.875,60.122 ; 142.773,60.147 142.875,60.147 ; 142.773,60.173 142.875,60.173 ; 142.773,60.198 142.9,60.198 ; 142.799,59.995 142.9,59.995 ; 142.799,60.02 142.9,60.02 ; 142.799,60.223 142.9,60.223 ; 142.799,60.249 142.951,60.249 ; 142.824,59.944 143.129,59.944 ; 142.824,59.969 142.926,59.969 ; 142.824,60.274 143.129,60.274 ; 142.85,59.919 143.129,59.919 ; 142.85,60.3 143.129,60.3 ; 142.9,59.893 143.129,59.893 ; 142.9,60.325 143.129,60.325 ; 143.002,59.969 143.129,59.969 ; 143.002,60.249 143.129,60.249 ; 143.027,59.995 143.129,59.995 ; 143.027,60.02 143.129,60.02 ; 143.027,60.046 143.129,60.046 ; 143.027,60.071 143.129,60.071 ; 143.027,60.096 143.129,60.096 ; 143.027,60.122 143.129,60.122 ; 143.027,60.147 143.129,60.147 ; 143.027,60.173 143.129,60.173 ; 143.027,60.198 143.129,60.198 ; 143.027,60.223 143.129,60.223 ; 143.231,60.071 143.459,60.071 ; 143.231,60.096 143.535,60.096 ; 143.231,60.122 143.586,60.122 ; 143.256,60.147 143.637,60.147 ; 143.256,60.173 143.662,60.173 ; 143.256,60.198 143.713,60.198 ; 143.256,60.223 143.739,60.223 ; 143.256,60.249 143.764,60.249 ; 143.256,60.274 143.789,60.274 ; 143.256,60.3 143.815,60.3 ; 143.256,60.325 143.815,60.325 ; 143.256,60.35 143.84,60.35 ; 143.256,60.376 143.866,60.376 ; 143.332,60.401 143.866,60.401 ; 143.434,60.427 143.891,60.427 ; 143.434,65.227 143.891,65.227 ; 143.485,60.452 143.891,60.452 ; 143.485,65.202 143.891,65.202 ; 143.51,60.477 143.891,60.477 ; 143.51,65.176 143.891,65.176 ; 143.561,60.503 143.916,60.503 ; 143.561,60.528 143.916,60.528 ; 143.561,65.126 143.916,65.126 ; 143.561,65.151 143.916,65.151 ; 143.586,60.554 143.916,60.554 ; 143.586,60.579 143.916,60.579 ; 143.586,65.075 143.916,65.075 ; 143.586,65.1 143.916,65.1 ; 143.612,60.604 143.916,60.604 ; 143.612,60.63 143.916,60.63 ; 143.612,60.655 143.916,60.655 ; 143.612,60.681 143.916,60.681 ; 143.612,60.706 143.916,60.706 ; 143.612,60.731 143.916,60.731 ; 143.612,60.757 143.916,60.757 ; 143.612,60.782 143.916,60.782 ; 143.612,60.808 143.916,60.808 ; 143.612,60.833 143.916,60.833 ; 143.612,60.858 143.916,60.858 ; 143.612,60.884 143.916,60.884 ; 143.612,60.909 143.916,60.909 ; 143.612,60.935 143.916,60.935 ; 143.612,60.96 143.916,60.96 ; 143.612,60.985 143.916,60.985 ; 143.612,61.011 143.916,61.011 ; 143.612,61.036 143.916,61.036 ; 143.612,61.062 143.916,61.062 ; 143.612,61.087 143.916,61.087 ; 143.612,61.112 143.916,61.112 ; 143.612,61.138 143.916,61.138 ; 143.612,61.163 143.916,61.163 ; 143.612,61.189 143.916,61.189 ; 143.612,61.214 143.916,61.214 ; 143.612,61.239 143.916,61.239 ; 143.612,61.265 143.916,61.265 ; 143.612,61.29 143.916,61.29 ; 143.612,61.316 143.916,61.316 ; 143.612,61.341 143.916,61.341 ; 143.612,61.366 143.916,61.366 ; 143.612,61.392 143.916,61.392 ; 143.612,61.417 143.916,61.417 ; 143.612,61.443 143.916,61.443 ; 143.612,61.468 143.916,61.468 ; 143.612,61.493 143.916,61.493 ; 143.612,61.519 143.916,61.519 ; 143.612,61.544 143.916,61.544 ; 143.612,61.57 143.916,61.57 ; 143.612,61.595 143.916,61.595 ; 143.612,61.62 143.916,61.62 ; 143.612,61.646 143.916,61.646 ; 143.612,61.671 143.916,61.671 ; 143.612,61.697 143.916,61.697 ; 143.612,61.722 143.916,61.722 ; 143.612,61.747 143.916,61.747 ; 143.612,61.773 143.916,61.773 ; 143.612,61.798 143.916,61.798 ; 143.612,61.824 143.916,61.824 ; 143.612,61.849 143.916,61.849 ; 143.612,61.874 143.916,61.874 ; 143.612,61.9 143.916,61.9 ; 143.612,61.925 143.916,61.925 ; 143.612,61.951 143.916,61.951 ; 143.612,61.976 143.916,61.976 ; 143.612,62.001 143.916,62.001 ; 143.612,62.027 143.916,62.027 ; 143.612,62.052 143.916,62.052 ; 143.612,62.078 143.916,62.078 ; 143.612,62.103 143.916,62.103 ; 143.612,62.128 143.916,62.128 ; 143.612,62.154 143.916,62.154 ; 143.612,62.179 143.916,62.179 ; 143.612,62.205 143.916,62.205 ; 143.612,62.23 143.916,62.23 ; 143.612,62.255 143.916,62.255 ; 143.612,62.281 143.916,62.281 ; 143.612,62.306 143.916,62.306 ; 143.612,62.332 143.916,62.332 ; 143.612,62.357 143.916,62.357 ; 143.612,62.382 143.916,62.382 ; 143.612,62.408 143.916,62.408 ; 143.612,62.433 143.916,62.433 ; 143.612,62.459 143.916,62.459 ; 143.612,62.484 143.916,62.484 ; 143.612,62.509 143.916,62.509 ; 143.612,62.535 143.916,62.535 ; 143.612,62.56 143.916,62.56 ; 143.612,62.586 143.916,62.586 ; 143.612,62.611 143.916,62.611 ; 143.612,62.636 143.916,62.636 ; 143.612,62.662 143.916,62.662 ; 143.612,62.687 143.916,62.687 ; 143.612,62.713 143.916,62.713 ; 143.612,62.738 143.916,62.738 ; 143.612,62.763 143.916,62.763 ; 143.612,62.789 143.916,62.789 ; 143.612,62.814 143.916,62.814 ; 143.612,62.84 143.916,62.84 ; 143.612,62.865 143.916,62.865 ; 143.612,62.89 143.916,62.89 ; 143.612,62.916 143.916,62.916 ; 143.612,62.941 143.916,62.941 ; 143.612,62.967 143.916,62.967 ; 143.612,62.992 143.916,62.992 ; 143.612,63.017 143.916,63.017 ; 143.612,63.043 143.916,63.043 ; 143.612,63.068 143.916,63.068 ; 143.612,63.094 143.916,63.094 ; 143.612,63.119 143.916,63.119 ; 143.612,63.144 143.916,63.144 ; 143.612,63.17 143.916,63.17 ; 143.612,63.195 143.916,63.195 ; 143.612,63.221 143.916,63.221 ; 143.612,63.246 143.916,63.246 ; 143.612,63.271 143.916,63.271 ; 143.612,63.297 143.916,63.297 ; 143.612,63.322 143.916,63.322 ; 143.612,63.348 143.916,63.348 ; 143.612,63.373 143.916,63.373 ; 143.612,63.398 143.916,63.398 ; 143.612,63.424 143.916,63.424 ; 143.612,63.449 143.916,63.449 ; 143.612,63.475 143.916,63.475 ; 143.612,63.5 143.916,63.5 ; 143.612,63.525 143.916,63.525 ; 143.612,63.551 143.916,63.551 ; 143.612,63.576 143.916,63.576 ; 143.612,63.602 143.916,63.602 ; 143.612,63.627 143.916,63.627 ; 143.612,63.652 143.916,63.652 ; 143.612,63.678 143.916,63.678 ; 143.612,63.703 143.916,63.703 ; 143.612,63.729 143.916,63.729 ; 143.612,63.754 143.916,63.754 ; 143.612,63.779 143.916,63.779 ; 143.612,63.805 143.916,63.805 ; 143.612,63.83 143.916,63.83 ; 143.612,63.856 143.916,63.856 ; 143.612,63.881 143.916,63.881 ; 143.612,63.906 143.916,63.906 ; 143.612,63.932 143.916,63.932 ; 143.612,63.957 143.916,63.957 ; 143.612,63.983 143.916,63.983 ; 143.612,64.008 143.916,64.008 ; 143.612,64.033 143.916,64.033 ; 143.612,64.059 143.916,64.059 ; 143.612,64.084 143.916,64.084 ; 143.612,64.11 143.916,64.11 ; 143.612,64.135 143.916,64.135 ; 143.612,64.16 143.916,64.16 ; 143.612,64.186 143.916,64.186 ; 143.612,64.211 143.916,64.211 ; 143.612,64.237 143.916,64.237 ; 143.612,64.262 143.916,64.262 ; 143.612,64.287 143.916,64.287 ; 143.612,64.313 143.916,64.313 ; 143.612,64.338 143.916,64.338 ; 143.612,64.364 143.916,64.364 ; 143.612,64.389 143.916,64.389 ; 143.612,64.414 143.916,64.414 ; 143.612,64.44 143.916,64.44 ; 143.612,64.465 143.916,64.465 ; 143.612,64.491 143.916,64.491 ; 143.612,64.516 143.916,64.516 ; 143.612,64.541 143.916,64.541 ; 143.612,64.567 143.916,64.567 ; 143.612,64.592 143.916,64.592 ; 143.612,64.618 143.916,64.618 ; 143.612,64.643 143.916,64.643 ; 143.612,64.668 143.916,64.668 ; 143.612,64.694 143.916,64.694 ; 143.612,64.719 143.916,64.719 ; 143.612,64.745 143.916,64.745 ; 143.612,64.77 143.916,64.77 ; 143.612,64.795 143.916,64.795 ; 143.612,64.821 143.916,64.821 ; 143.612,64.846 143.916,64.846 ; 143.612,64.872 143.916,64.872 ; 143.612,64.897 143.916,64.897 ; 143.612,64.922 143.916,64.922 ; 143.612,64.948 143.916,64.948 ; 143.612,64.973 143.916,64.973 ; 143.612,64.999 143.916,64.999 ; 143.612,65.024 143.916,65.024 ; 143.612,65.049 143.916,65.049

## Polygon pours and split planes (outlines as drawn)
GND on Bottom Layer "GND_L02_P001" (solid, pour order 1): 48.387,117.348 148.59,117.348 148.59,33.147 48.387,33.147
GND on Top Layer "GND_L01_P000" (solid, pour order 0): 48.387,117.348 148.59,117.348 148.59,33.147 48.387,33.147

## Keep-outs
Keep-Out Layer:
  rectangle: 48.539,69.088 54.889,110.109
  lines w0.3: 48.506,33.241 148.506,33.241 148.506,117.241 48.506,117.241 48.506,33.241

## Other copper
Top Layer:
  rectangle net GND: 102.616,81.915 104.267,83.604
  rectangle net GND: 102.006,37.211 106.553,40.767
  rectangle net GND: 90.424,40.005 95.25,43.307
  rectangle net GND: 86.995,111.379 90.932,115.443
  rectangle net GND: 96.012,96.393 109.855,98.679
  rectangle net GND: 60.706,40.361 70.485,45.72
  rectangle net 3V3: 101.092,42.291 102.743,45.212
  rectangle net VBAT: 56.769,112.141 59.436,114.046
  rectangle net NetDP1_1: 55.499,114.427 61.392,116.84
  rectangle net GND: 56.515,89.662 66.167,94.615
  rectangle net GND: 112.522,96.774 114.173,100.965
  rectangle net GND: 115.443,98.06 117.221,100.965
  rectangle net GND: 107.569,92.71 109.855,95.758
  rectangle net GND: 96.012,93.726 109.855,96.647
  rectangle net GND: 48.895,60.579 54.864,64.135
  rectangle net VBAT: 48.895,64.897 53.975,68.453
  rectangle net 3V3: 57.785,72.644 60.071,75.946
  rectangle net VBAT: 106.934,89.535 112.014,92.456
  rectangle net VBAT: 94.742,90.678 107.315,93.472
  pour cut-out: 62.611,102.657 62.672,102.718 69.266,102.718 69.266,107.569 69.215,107.62 57.963,107.62 57.963,103.022 57.556,102.616
  pour cut-out: 96.545,91.084 106.909,91.084 106.934,91.11 108.282,89.762 108.282,74.805 108.128,74.651 100.406,74.651 100.406,82.55 100.432,82.575 100.406,82.601 95.199,82.601 95.199,86.182 96.317,87.3
  pour cut-out: 54.712,110.693 55.048,110.693 57.226,110.693 57.226,107.366 57.455,107.137 57.582,107.137 57.582,104.013 57.556,103.988 57.506,104.038 54.585,104.038
  pour cut-out: 59.639,105.308 62.687,105.308 62.763,105.385 62.763,102.235 59.538,102.235
  pour cut-out: 60.096,101.658 60.096,97.257 61.087,96.266 61.214,96.393 62.611,96.393 61.366,97.638 61.366,101.658
  pour cut-out: 78.486,80.34 78.359,80.213 78.359,75.692 80.416,73.635 80.391,73.61 80.391,68.885 73.812,75.463
  pour cut-out: 72.365,82.017 70.002,82.017 70.002,79.731 70.065,79.668 69.045,79.668 68.244,78.867 66.7,78.867 66.7,74.117 66.65,74.168 61.239,74.168 61.239,83.642 71.526,83.642 72.314,82.855
  pour cut-out: 69.596,61.544 75.667,61.544 75.667,61.417 75.667,57.937 69.596,57.937
  pour cut-out: 56.007,41.25 60.731,41.25 60.731,45.695 60.706,45.72 67.183,45.72 67.183,47.202 67.149,47.168 56.083,47.168
  pour cut-out: 55.778,103.962 54.661,103.962 54.585,104.038 54.585,69.367 48.844,69.367 48.87,69.342 48.87,59.563 59.944,59.563 60.046,59.461 60.046,54.61 63.754,54.61 63.83,54.534 63.856,54.559 63.856,59.08 61.849,59.08 61.747,58.979 61.468,59.258 61.468,82.906 55.931,82.906 55.728,83.109
  pour cut-out: 123.977,41.656 127.457,41.656 127.457,38.329 124.003,38.329 123.952,38.379
  pour cut-out: 116.942,41.808 116.967,41.783 120.421,41.783 120.421,38.481 120.345,38.405 116.967,38.405
  pour cut-out: 117.559,49.149 126.128,49.149 126.128,46.863 117.559,46.863
  pour cut-out: 106.205,48.349 106.205,49.149 114.775,49.149 114.775,46.863 106.205,46.863
  pour cut-out: 72.187,73.025 74.168,75.006 74.193,75.006 74.193,74.981 83.058,66.116 83.058,65.253 80.366,65.253 79.029,63.916 79.146,63.798 79.146,56.363 75.667,56.363 75.717,56.413 75.717,73.025
  pour cut-out: 94.285,74.27 97.079,74.27 98.704,72.644 98.806,72.644 98.806,68.044 98.762,68 88.341,68 88.341,74.294
  pour cut-out: 96.647,77.686 96.797,77.686 98.129,79.018 98.137,79.01 100.076,79.01 100.076,72.974 96.647,76.403
  pour cut-out: 100.13,81.064 103.412,81.064 103.528,81.18 103.528,80.318 103.278,80.318 100.963,78.003 100.101,78.003
  pour cut-out: 116.825,74.985 116.637,74.796 116.637,68.859 120.826,68.859 120.826,68.912 120.826,74.985
  pour cut-out: 116.637,68.859 126.035,68.859 126.06,68.834 126.06,64.338 116.637,64.338
  pour cut-out: 141.732,79.008 141.732,77.419 141.657,77.494 129.818,77.494 128.778,76.454 128.778,75.413 113.005,75.413 113.005,79.527 124.054,79.527 141.783,79.527
  pour cut-out: 137.084,95.25 135.357,95.25 134.087,93.98 134.087,92.964 138.049,92.964 138.05,92.965 138.05,95.251
  pour cut-out: 135.23,99.314 135.23,95.834 135.966,95.834 135.966,95.971 137.95,97.955 138.1,97.955 138.1,98.305 137.1,99.305
  pour cut-out: 114.825,75.004 114.844,74.985 115.825,74.985 115.825,60.676 115.998,60.503 114.757,60.503
  pour cut-out: 131.255,48.999 131.255,45.173 131.267,45.161 131.301,45.195 134.642,45.195 134.642,48.986 134.597,49.032
  pour cut-out: 127.94,52.603 127.94,51.13 128.032,51.038 131.216,51.038 131.216,50.978 133.731,48.463 133.894,48.626 135.402,48.626 135.402,51.36 135.477,51.435 134.399,52.513
  pour cut-out: 133.248,46.304 133.248,36.45 133.3,36.399 130.954,34.053 130.954,33.426 135.026,33.426 135.128,37.175 135.128,46.355
  pour cut-out: 103.759,45.06 105.364,45.06 106.096,44.328 106.096,39.98 106.07,40.005 103.759,40.005
  pour cut-out: 82.518,63.618 92.066,63.618 92.1,63.652 92.1,56.286 89.205,56.286 89.154,56.337 89.154,54.686 83.632,54.686 83.515,54.803 83.515,58.674 80.137,58.674 78.93,59.881 79.029,59.979 79.029,63.583
  pour cut-out: 87.122,52.756 87.186,52.82 98.402,52.82 98.402,52.92 99.584,54.102 101.584,54.102 101.584,54.88 100.457,56.007 100.457,62.89 96.139,62.89 96.266,62.763 96.266,57.034 93.219,53.987 88.404,53.987
  pour cut-out: 94.995,45.679 94.995,40.385 94.996,40.386 103.937,40.386 103.937,45.517 103.886,45.568
  pour cut-out: 90.526,42.977 90.551,43.002 90.551,45.339 94.996,45.339 95.021,45.364 95.123,45.263 95.123,42.824
  pour cut-out: 76.327,45.577 76.327,42.621 76.378,42.57 80.543,42.57 80.543,42.596 78.549,44.59 78.549,45.67 76.42,45.67 76.374,45.624
  pour cut-out: 72.288,45.288 72.288,40.97 73.965,40.97 74.066,41.072 74.066,41.935 74.758,42.627 74.752,42.633 74.752,45.314
  pour cut-out: 141.326,116.84 148.336,116.84 148.286,116.79 148.286,107.147 141.392,107.147 141.351,107.188
  text "SIMESP_V1.0" at 147.639,41.018 h1 r90
Bottom Layer:
  rectangle net GND: 48.92,50.952 59.995,59
  rectangle net GND: 102.032,37.287 106.223,39.04
  rectangle net GND: 92.608,40.005 94.666,42.977
  rectangle net GND: 86.868,111.379 90.932,116.84
  rectangle net GND: 96.012,93.726 109.855,98.806
  rectangle net GND: 62.611,40.462 70.485,45.72
  rectangle net 3V3: 101.092,42.291 102.743,45.085
  rectangle net VBAT: 56.261,110.617 60.198,113.538
  rectangle net NetDP1_1: 55.245,114.554 60.325,116.84
  rectangle net GND: 48.895,60.579 54.864,64.135
  rectangle net VBAT: 48.895,64.897 53.975,68.453
  rectangle net 3V3: 57.785,72.644 60.071,75.565
  rectangle net VBAT: 94.615,89.535 112.014,92.456
  pour cut-out: 131.051,65.278 131.356,65.583 143.561,65.583 143.866,65.278 143.866,60.401 143.51,60.401 143.129,60.02 131.445,60.02 131.445,62.205 130.937,62.713
  pour cut-out: 141.326,116.84 148.336,116.84 148.336,107.197 148.286,107.147 148.244,107.188 141.351,107.188

## Silkscreen, mask and mechanical layers (free items; w line width, h text height)
Top Overlay:
  drawing of 2641 lines, arcs and shapes, not listed
  text "GPS Anntena" at 129.667,63.246 h1.52

## Dimensions
148.514,33.249 to 148.488,117.246 on Top Size
48.506,33.241 to 148.506,33.241 on Top Size

## Text inside footprints (layer, text, board x,y; h text height)
SIM1: Top Overlay "SIM808" at 115.028,85.795 h1
SIM2: Top Overlay "MIC" at 122.936,37.109 h1 r90
U1: Mechanical 13 "ANTENNA" at 52.546,87.158 h1 r90
UP1: Top Overlay "5" at 62.428,59.131 h1 r90
USB1: Mechanical 13 "PCB EDGE" at 85.382,31.925 h1 r180